# Altium PCB standard_mic.PcbDoc (part 2 of 2)
Units mm, origin at the board's own origin, x right, y up, seen from the top; angles counter-clockwise.
Board outline 92.91 x 46.68 mm, 4 copper layers (Component Side, Signal Layer 1, Signal Layer 2, Solder Side), stack 0.846 mm thick; 118 components, 86 nets, 376 pads, 431 vias.
Unrouted connection lines stored in the file: 2.
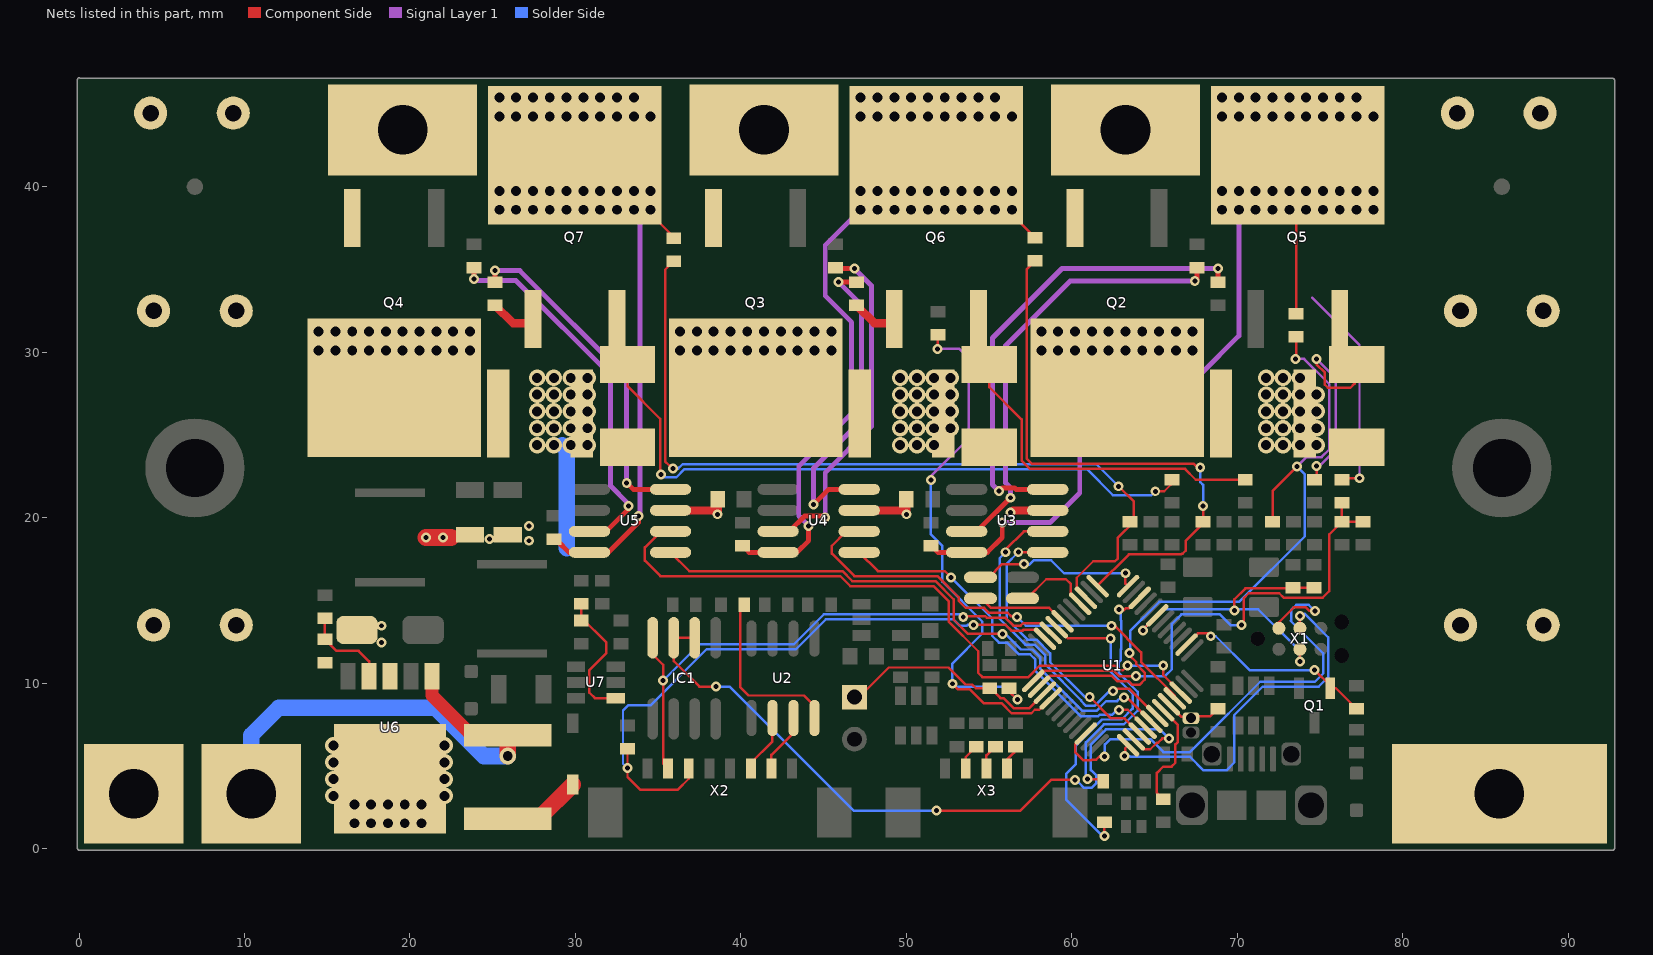
[diagram p4: the nets of this part, all layers, seen from the top]

## Via types
v1: diameter 1, hole 0.6, Component Side to Solder Side, 195 vias
v2: diameter 0.6, hole 0.3, Component Side to Solder Side, tented both sides, 175 vias
v3: diameter 1, hole 0.6, Component Side to Solder Side, tented both sides, 59 vias
v4: diameter 0.6, hole 0.3, Component Side to Solder Side, 2 vias

## Nets (pads, with @x,y where several pads share a name; then routed paths per layer and width w, separated by ;. In a path a pad name is that pad's centre, name@x,y a point inside that pad or via, vN(x,y) a via of type N, cw(c..) or ccw(c..) an arc to the next point about the centre after c; other vN are vias at no path point) (continued)
NetQ5_3: Q5.3 R23.2 R31.2 | length 14.2
  Component Side w0.15: R23.2@74.676,22.29 74.803,22.417 v2(74.803,23.114) ; v2@74.93,29.464 v2(74.803,29.591) 74.803,29.261 75.3,28.764 75.3,28.029 75.478,27.85 76.85,27.85 77.1,28.1 R31.2@77.1,28.637 ; R31.2@77.038,28.575 R31.2@77.1,28.637 ; R31.2@77.216,29.749 77.267,29.698 77.267,28.804 R31.2@77.1,28.637
  Signal Layer 1 w0.15: v2(74.803,23.114) 74.983,23.114 75.946,24.077 75.946,28.448 v2(74.803,29.591)
NetQ6_1: Q6.1 R19.2 | length 2.7
  Component Side w0.5: R19.2@46.99,32.828 48.068,31.75 Q6.1@49.276,31.75
NetQ6_3: Q6.3 R26.2 R33.2 | length 21.1
  Component Side w0.15: R33.2@55.016,29.749 55.016,27.884 56.968,25.932 56.968,23.443 57.47,22.941 66.848,22.941 67.499,22.29 R26.2@70.485,22.29
NetQ7_1: Q7.1 R20.2 | length 2.7
  Component Side w0.5: R20.2@25.146,32.828 26.224,31.75 Q7.1@27.432,31.75
NetQ7_3: Q7.3 R29.2 R35.2 | length 40.4
  Component Side w0.15: R35.2@33.147,29.749 33.147,27.953 35.124,25.976 35.124,22.661 v2(35.179,22.606) ; v2(65.049,21.59) 65.594,21.59 R29.2@66.294,22.29
  Solder Side w0.15: v2(35.179,22.606) 35.348,22.437 36.108,22.437 36.596,22.925 60.915,22.925 62.487,21.353 64.812,21.353 v2(65.049,21.59)
NetR1_2: R1.2 U1.10 | length 15.5
  Component Side w0.15: v2(60.96,4.191) 61.784,4.191 R1.2@61.911,4.064 ; v2(62.865,14.453) 63.084,14.453 63.141,14.395 63.275,14.528 63.488,14.528 U1.10@64.11,15.15
  Solder Side w0.15: v2(60.96,4.191) 60.856,4.295 60.856,6.407 61.945,7.496 63.145,7.496 63.977,8.327 63.977,9.474 62.848,10.602 62.848,11.266 62.975,11.393 62.975,12.028 62.992,12.045 62.992,13.761 62.967,13.786 62.967,14.221 62.968,14.222 62.865,14.326 v2(62.865,14.453)
NetR2_2: R2.2 U1.20 | length 20.2
  Component Side w0.15: U1.20@59.09,13.382 59.772,12.7 v2(62.357,12.7) ; v2(61.976,0.762) R2.2@61.976,1.586
  Solder Side w0.15: v2(61.976,0.762) 61.849,0.762 59.673,2.938 59.673,4.53 60.252,5.109 60.252,6.228 61.82,7.796 63.021,7.796 63.677,8.451 63.677,9.349 62.357,10.669 v2(62.357,12.7)
NetR3_2: R3.2 U1.43 | length 6.7
  Component Side w0.15: U1.43@65.525,8.362 66.413,7.474 66.413,6.437 66.269,6.293 66.269,5.182 66.04,4.953 65.532,4.953 65.151,4.572 65.151,3.367 R3.2@65.532,2.986
NetR7_2: pad.1@67.208,7.874 R7.2 U1.44 | length 3.5
  Component Side w0.15: U1.44@65.878,8.716 66.64,7.954 pad.1@67.208,7.874 67.309,8 67.31,8.001 68.388,8.001 R7.2@68.834,8.447
NetR8_2: R8.2 X3.2 | length 1.5
  Component Side w0.15: X3.2@56.094,4.826 56.094,5.37 56.515,5.791 R8.2@56.515,6.158
NetR10_2: R10.2 X3.3 | length 1.7
  Component Side w0.15: X3.3@54.844,4.826 54.844,5.63 55.372,6.158 R10.2@55.454,6.076
NetR13_2: R13.2 X3.4 | length 1.8
  Component Side w0.15: X3.4@53.594,4.826 53.594,5.523 R13.2@54.229,6.158 ; R13.2@54.02,5.974 R13.2@54.02,6.141
NetR15_1: R15.1 U3.3 | length 26.7
  Component Side w0.3: U3.3@53.65,19.165 54.265,19.165 v2(56.3,21.2) ; v2(67.437,34.29) 67.564,34.417 R15.1@67.564,35.114
  Signal Layer 1 w0.3: v2(56.3,21.2) 56.3,21.805 56.007,22.098 56.007,30.404 59.893,34.29 v2(67.437,34.29)
NetR16_1: R16.1 U4.3 | length 21.1
  Component Side w0.3: U4.3@42.25,19.165 42.916,19.165 43.851,20.1 45,20.1 v2(45.1,20) ; R16.1@45.72,35.114 45.782,35.052 v2(46.863,35.052)
  Signal Layer 1 w0.3: v2(45.1,20) 45.1,22.718 47.9,25.518 47.9,34.015 v2(46.863,35.052)
NetR17_1: R17.1 U5.3 | length 22.8
  Component Side w0.3: v2(23.876,34.417) R17.1@23.876,35.114 ; U5.3@30.85,19.165 31.865,19.165 33.2,20.5 v2(33.2,20.7)
  Signal Layer 1 w0.3: v2(23.876,34.417) 23.968,34.325 26.406,34.325 32.131,28.6 32.131,21.91 33.2,20.841 v2(33.2,20.7)
NetR18_1: R18.1 U3.8 | length 28.7
  Component Side w0.3: v2(55.6,21.6) 55.8,21.8 56.548,21.8 56.643,21.705 U3.8@58.55,21.705 ; R18.1@68.834,34.228 v2(68.834,35.052)
  Signal Layer 1 w0.3: v2@55.6,21.584 v2(55.6,21.6) 55.21,21.99 55.21,30.851 59.411,35.052 v2(68.834,35.052)
NetR19_1: R19.1 U4.8 | length 19.4
  Component Side w0.3: v2(44.4,20.8) 45.305,21.705 U4.8@47.15,21.705 ; v2(45.912,34.228) R19.1@46.99,34.228
  Signal Layer 1 w0.3: v2(44.4,20.8) 44.4,23 47.3,25.9 47.3,32.84 v2(45.912,34.228)
NetR20_1: R20.1 U5.8 | length 20.5
  Component Side w0.3: R20.1@25.146,34.228 v2(25.146,34.925) ; v2(33.1,22.1) 33.495,21.705 U5.8@35.75,21.705
  Signal Layer 1 w0.3: v2(25.146,34.925) 26.645,34.925 33.1,28.47 v2(33.1,22.1)
NetR37_1: R37.1 R40.2 U6.4 | length 5.4
  Component Side w0.15: R37.1@14.859,13.905 R40.2@14.859,12.638 15.559,11.938 16.891,11.938 17.526,11.303 U6.4@17.526,10.414
NetR38_1: R38.1 R41.2 U7.4 | length 8.4
  Component Side w0.15: R41.2@30.353,13.781 R41.2@30.353,13.97 ; R38.1@30.353,14.794 R41.2@30.353,13.97 ; U7.4@32.442,9.083 31.176,9.083 30.844,9.415 30.844,10.778 31.877,11.811 31.877,12.446 R41.2@30.353,13.97
NetR42_2: R42.2 U2.8 | length 10.8
  Component Side w0.15: R42.2@40.197,14.732 39.954,14.489 39.954,9.754 40.462,9.246 43.815,9.246 44.45,8.611 U2.8@44.45,7.887
NetTP1_1: TP1.1 U1.19 | length 5.5
  Component Side w0.15: TP1.1@54.483,15.113 54.55,15.113 55.125,14.538 58.641,14.538 U1.19@59.443,13.736
NetTP2_1: TP2.1 U1.12 | length 10.6
  Component Side w0.15: TP2.1@54.483,16.383 54.991,16.383 55.794,17.186 v2(57.109,17.186) ; v2(63.246,16.637) 63.246,16.015 U1.12@63.403,15.857
  Solder Side w0.15: v2@56.986,17.382 57.223,17.145 57.421,17.145 57.692,17.416 58.764,17.416 59.543,16.637 v2(63.246,16.637)
NetTP4_1: TP4.1 U1.16 | length 4.9
  Component Side w0.15: TP4.1@57.023,15.113 57.297,15.113 58.457,16.273 59.653,16.273 59.952,15.974 59.952,15.836 59.952,15.348 U1.16@60.504,14.797
NetU2_6: U2.6 X2.3 | length 3.6
  Component Side w0.15: X2.3@40.6,4.826 40.6,5.167 41.91,6.477 U2.6@41.91,7.887
NetU2_7: U2.7 X2.2 | length 3.6
  Component Side w0.15: X2.2@41.85,4.826 41.85,5.655 43.18,6.985 U2.7@43.18,7.887
NRST: C7.2 R5.1 U1.7 X1.3 | length 20.6
  Component Side w0.15: v2(64.313,13.183) 64.313,13.181 64.16,13.028 64.135,13.054 U1.7@65.171,14.09 ; v2(69.833,14.374) 69.833,15.064 70.492,15.724 73.34,15.724 R5.1@73.381,15.683 ; R5.1@73.381,15.759 C7.2@74.651,15.759 ; v2(73.787,11.303) X1.3@73.787,12.04 X1.3@73.787,12.319
  Solder Side w0.15: v2(64.313,13.183) 64.237,13.183 65.507,14.453 v2@70.015,14.453 ; v2(69.833,14.374) 69.937,14.374 v2@70.015,14.453 ; v2(73.787,11.303) 73.787,11.938 71.272,14.453 v2@70.015,14.453
PGND: C9.1 C10.1 C18.1 C19.1 C20.1 C24.2 C25.2 C26.1 C28.1 C31.1 D9.1 Designator1.1 Designator1_1.1 Designator2.1 Designator3.1 Designator3_1.1 pad.1@85.852,3.302 R31.1 R33.1 R35.1 R40.1 U3.7 U4.7 U5.7 U6.3 U6.6 | length 22.6
  Component Side w0.5: U5.7@35.75,20.435 38.365,20.435 v2(38.6,20.2) C9.1@38.6,21.1 ; U4.7@47.15,20.435 49.765,20.435 v2(50,20.2) C10.1@50,21.1 ; v2(56.3,20.3) 56.435,20.435 U3.7@58.55,20.435
  Component Side w1: v2(20.955,18.796) 22.479,18.796 ; C18.1@25.908,1.793 27.773,1.793 Designator2.1@29.845,3.865
  Solder Side w1: 29.21,24.384 29.464,24.13 29.464,18.161
  other v1: 16.637,1.524 17.653,1.524 18.669,1.524 19.685,1.524 20.701,1.524 16.637,2.667 17.653,2.667 18.669,2.667 19.685,2.667 20.701,2.667 15.367,3.175 22.098,3.175 15.367,4.191 22.098,4.191 15.367,5.207 22.098,5.207 15.367,6.223 22.098,6.223
  other v2: 18.288,12.446 18.288,13.462 27.2,18.6 24.8,18.7 22,18.796 27.2,19.5
  other v3: 27.686,24.384 28.702,24.384 29.718,24.384 30.734,24.384 49.632,24.384 50.648,24.384 51.664,24.384 71.755,24.384 72.771,24.384 73.787,24.384 74.803,24.384 27.686,25.4 28.702,25.4 29.718,25.4 30.734,25.4 49.632,25.4 50.648,25.4 51.664,25.4 52.68,25.4 71.755,25.4 72.771,25.4 73.787,25.4 74.803,25.4 27.686,26.416 28.702,26.416 29.718,26.416 30.734,26.416 49.632,26.416 50.648,26.416 51.664,26.416 52.68,26.416 71.755,26.416 72.771,26.416 73.787,26.416 74.803,26.416 27.686,27.432 28.702,27.432 29.718,27.432 30.734,27.432 49.632,27.432 50.648,27.432 51.664,27.432 52.68,27.432 71.755,27.432 72.771,27.432 73.787,27.432 74.803,27.432 27.686,28.448 28.702,28.448 29.718,28.448 30.734,28.448 49.632,28.448 50.648,28.448 51.664,28.448 52.68,28.448 71.755,28.448 72.771,28.448 73.787,28.448
PHASE1: C11.2 pad.1@63.246,43.434 Q2.3 Q5.4 R21.2 U3.4 | length 44.2
  Component Side w0.15: R21.2@73.558,32.323 73.558,41.898 Q5.4@73.66,42
  Component Side w0.3: C11.2@51.5,18.3 51.905,17.895 U3.4@53.65,17.895 54.895,17.895 55.8,18.8 v2(55.8,19.7)
  Signal Layer 1 w0.3: v2(55.8,19.7) 58.7,19.7 60.485,21.485 60.485,25.052 64.135,28.702 67.818,28.702 70.104,30.988 v1(70.104,38.608)
  other v1: 69.088,38.608 71.12,38.608 72.136,38.608 73.152,38.608 74.168,38.608 75.184,38.608 76.2,38.608 77.216,38.608 78.232,38.608 69.088,39.751 70.104,39.751 71.12,39.751 72.136,39.751 73.152,39.751 74.168,39.751 75.184,39.751 76.2,39.751 77.216,39.751 78.232,39.751 69.088,44.249 70.104,44.249 71.12,44.249 72.136,44.249 73.152,44.249 74.168,44.249 75.184,44.249 76.2,44.249 77.216,44.249 78.232,44.249 69.088,45.392 70.104,45.392 71.12,45.392 72.136,45.392 73.152,45.392 74.168,45.392 75.184,45.392 76.2,45.392 77.216,45.392
PHASE2: C12.2 pad.1@41.402,43.434 Q3.3 Q6.4 R24.2 U4.4 | length 35.7
  Component Side w0.15: Q6.4@51.816,42 52.705,42 R24.2@57.785,36.92
  Component Side w0.3: C12.2@40.1,18.3 40.505,17.895 U4.4@42.25,17.895 43.395,17.895 44.1,18.6 v4(44.1,19.5)
  Signal Layer 1 w0.3: v4(44.1,19.5) 43.5,20.1 43.5,23.1 46.7,26.3 46.7,31.8 45.1,33.4 45.1,36.464 v1(47.244,38.608)
  other v1: 48.26,38.608 49.276,38.608 50.292,38.608 51.308,38.608 52.324,38.608 53.34,38.608 54.356,38.608 55.372,38.608 56.388,38.608 47.244,39.751 48.26,39.751 49.276,39.751 50.292,39.751 51.308,39.751 52.324,39.751 53.34,39.751 54.356,39.751 55.372,39.751 56.388,39.751 47.244,44.249 48.26,44.249 49.276,44.249 50.292,44.249 51.308,44.249 52.324,44.249 53.34,44.249 54.356,44.249 55.372,44.249 56.388,44.249 47.244,45.392 48.26,45.392 49.276,45.392 50.292,45.392 51.308,45.392 52.324,45.392 53.34,45.392 54.356,45.392 55.372,45.392
PHASE3: C13.2 pad.1@19.558,43.434 Q4.3 Q7.4 R27.2 U5.4 | length 33.1
  Component Side w0.15: Q7.4@29.972,42 30.898,42 35.941,36.957 R27.2@35.941,36.895
  Component Side w0.3: C13.2@28.95,18.55 29.605,17.895 U5.4@30.85,17.895 31.995,17.895 33.8,19.7 v2(33.8,20.1)
  Signal Layer 1 w0.3: v1(33.528,38.608) 33.9,38.236 33.9,20.2 v2(33.8,20.1)
  other v1: 25.4,38.608 26.416,38.608 27.432,38.608 28.448,38.608 29.464,38.608 30.48,38.608 31.496,38.608 32.512,38.608 34.544,38.608 25.4,39.751 26.416,39.751 27.432,39.751 28.448,39.751 29.464,39.751 30.48,39.751 31.496,39.751 32.512,39.751 33.528,39.751 34.544,39.751 25.4,44.249 26.416,44.249 27.432,44.249 28.448,44.249 29.464,44.249 30.48,44.249 31.496,44.249 32.512,44.249 33.528,44.249 34.544,44.249 25.4,45.392 26.416,45.392 27.432,45.392 28.448,45.392 29.464,45.392 30.48,45.392 31.496,45.392 32.512,45.392 33.528,45.392
PWMH1: U1.39 U3.5 | length 17.3
  Component Side w0.15: v2(56.769,17.907) 58.538,17.907 U3.5@58.55,17.895 ; v2(61.087,9.144) 62.374,7.857 63.201,7.857 U1.39@64.11,6.948
  Solder Side w0.15: v2(56.769,17.907) 56.058,17.196 56.058,13.888 57.319,12.626 57.867,12.626 58.702,11.792 58.702,11.244 60.802,9.144 v2(61.087,9.144)
PWMH2: U1.40 U4.5 | length 23.2
  Component Side w0.15: U4.5@47.15,17.895 48.281,16.764 52.324,16.764 v2(52.705,16.383) ; v2(62.865,8.382) 63.383,8.382 U1.40@64.464,7.301
  Solder Side w0.15: v2(52.705,16.383) 55.194,13.894 55.194,12.842 55.597,12.44 56.097,12.44 56.81,11.726 57.494,11.726 57.802,11.419 57.802,10.735 60.536,8.001 61.601,8.001 61.696,8.096 62.462,8.096 62.865,8.499 v2(62.865,8.382)
PWMH3: U1.41 U5.5 | length 35.1
  Component Side w0.15: U5.5@35.75,17.895 36.881,16.764 46.134,16.764 46.734,16.164 51.757,16.164 52.871,15.051 52.871,13.824 53.73,12.965 v2(55.814,12.965) ; v2(63.152,9.132) 63.34,9.132 U1.41@64.817,7.655
  Solder Side w0.15: v2(55.814,12.965) 55.996,12.965 56.935,12.026 57.619,12.026 58.102,11.543 58.102,10.859 60.642,8.319 61.495,8.319 62.083,8.907 62.738,8.907 62.963,9.132 v2(63.152,9.132)
PWML1: U1.42 U3.6 | length 20.5
  Component Side w0.15: v2(56.007,17.907) 56.007,18.059 57.113,19.165 U3.6@58.55,19.165 ; v2(62.484,9.525) 62.616,9.657 63.471,9.657 65.12,8.008 U1.42@65.171,8.008
  Solder Side w0.15: v2(56.007,17.907) 55.651,17.551 55.651,13.87 57.195,12.326 57.743,12.326 58.402,11.667 58.402,11.119 60.562,8.959 60.562,8.927 60.87,8.619 61.371,8.619 62.277,9.525 v2(62.484,9.525)
PWML2: U1.45 U4.6 | length 27.5
  Component Side w0.15: U4.6@47.15,19.165 46.365,19.165 45.5,18.3 45.5,17.822 46.858,16.464 51.882,16.464 53.171,15.175 53.171,14.962 53.595,14.538 54.701,14.538 55.001,14.238 56.132,14.238 56.321,14.049 56.693,14.049 v2(56.693,13.995) ; v2(62.408,13.462) 62.408,13.482 62.49,13.564 64.198,11.855 64.198,11.264 66.232,9.23 U1.45@66.232,9.069
  Solder Side w0.15: v2(56.693,13.995) 57.226,13.462 v2(62.408,13.462)
PWML3: U1.46 U5.6 | length 41.1
  Component Side w0.15: U5.6@35.75,19.165 35.165,19.165 34.2,18.2 34.2,17.4 35.136,16.464 46.01,16.464 46.61,15.864 51.633,15.864 52.571,14.926 52.571,13.7 54.351,11.919 54.351,11.522 54.354,11.519 54.341,11.506 54.341,10.62 54.598,10.363 57.379,10.363 58.065,11.049 62.654,11.049 62.934,10.77 63.094,10.77 v2(63.373,11.049) ; v2(65.532,11.049) 65.532,10.476 U1.46@66.585,9.423
  Solder Side w0.15: v2(63.373,11.049) v2(65.532,11.049)
RS485_DE: IC1.2 IC1.3 U1.38 | length 43.5
  Component Side w0.15: IC1.2@37.211,12.737 IC1.3@35.941,12.737 35.941,11.328 37.49,9.779 v2(38.506,9.779) ; v4(51.816,2.286) 56.896,2.286 58.75,4.14 v2(60.198,4.14) ; U1.38@63.757,6.594 64.357,5.994 64.748,5.994 65.144,6.39 65.216,6.39 65.481,6.655 v2(65.888,6.655)
  Solder Side w0.15: v2(38.506,9.779) 39.319,9.779 46.812,2.286 v4(51.816,2.286) ; v2(60.198,4.14) 60.259,4.14 60.435,3.964 60.435,3.974 60.743,3.666 61.189,3.666 61.485,3.962 61.485,4.408 61.156,4.738 61.156,6.283 62.069,7.196 65.347,7.196 v2(65.888,6.655)
RS485_RX: R6.1 U1.22 X2.6 | length 38.6
  Component Side w0.15: R6.1@33.147,6.031 33.147,4.318 33.909,3.556 36.195,3.556 36.85,4.211 X2.6@36.85,4.826 ; v2(54.051,13.513) 56.009,13.513 56.351,13.17 57.035,13.17 57.091,13.227 57.831,13.227 U1.22@58.383,12.675
  Solder Side w0.15: v2(33.147,4.851) 32.876,5.122 32.876,8.345 33.184,8.653 34.541,8.653 37.933,12.044 43.33,12.044 45.128,13.843 52.852,13.843 53.224,13.47 53.659,13.47 53.701,13.513 v2(54.051,13.513)
RS485_TX: IC1.4 U1.21 X2.7 | length 34.2
  Component Side w0.15: IC1.4@34.671,12.737 34.671,11.735 35.306,11.1 v2(35.306,10.16) 35.306,5.12 X2.7@35.6,4.826 ; v2(53.442,13.995) 53.484,14.038 54.777,14.038 54.876,13.938 56.008,13.938 56.475,13.47 56.91,13.47 57.054,13.614 58.151,13.614 U1.21@58.736,13.029
  Solder Side w0.15: v2(35.306,10.16) 37.49,12.344 43.205,12.344 45.017,14.156 53.535,14.156 53.442,14.063 v2(53.442,13.995)
SWCLK: U1.37 X1.4 | length 22.7
  Component Side w0.15: v2(63.195,5.588) 63.233,5.588 63.233,6.071 U1.37@63.403,6.241 ; X1.4@73.787,13.589 v2(73.787,14.046)
  Solder Side w0.15: v2(63.195,5.588) 63.485,5.588 63.543,5.53 67.165,5.53 67.97,4.724 69.35,4.724 69.825,5.199 69.825,8.058 71.546,9.779 74.93,9.779 75.501,10.35 75.501,12.764 74.066,14.199 73.914,14.046 v2(73.787,14.046)
SWDIO: U1.34 X1.2 | length 29.3
  Component Side w0.15: U1.34@60.858,6.948 60.198,6.288 60.198,5.822 60.685,5.335 61.19,5.335 61.217,5.363 61.471,5.363 61.696,5.588 61.72,5.564 v2(61.981,5.564) ; X1.2@72.517,13.31 72.517,13.671 73.417,14.571 74.157,14.571 74.352,14.376 74.701,14.376 v2(74.701,14.351)
  Solder Side w0.15: v2(61.981,5.564) 61.954,5.537 61.95,5.537 62.01,5.597 62.01,6.288 62.317,6.596 64.78,6.596 65.546,5.83 67.145,5.83 67.641,6.325 71.395,10.079 74.702,10.079 75.201,10.578 75.201,11.794 73.241,13.754 73.262,13.775 73.262,14.416 73.406,14.56 73.406,14.58 73.426,14.58 73.57,14.724 74.329,14.724 v2(74.701,14.351)
TMP_M: NTC.1@46.863,9.144 R4.1 U1.27 | length 13.3
  Component Side w0.15: NTC.1@47.244,9.246 48.937,10.939 52.561,10.939 53.589,9.911 53.975,9.911 54.197,9.689 R4.1@55.042,9.689 55.092,9.689 55.692,9.088 55.879,9.088 56.501,8.467 57.427,8.467 U1.27@58.383,9.423
TMP_PCB: NTC.1@51.918,31.05 R43.1 U1.28 | length 38
  Component Side w0.15: v2(51.892,30.201) 51.892,31.025 NTC.1@51.918,31.05 ; v2(52.781,9.957) 53.127,9.611 53.851,9.611 54.673,8.788 55.755,8.788 56.376,8.167 57.551,8.167 57.766,8.382 58.049,8.382 U1.28@58.736,9.069 ; R43.1@56.21,9.689 56.21,9.5 v2(56.718,8.992)
  Signal Layer 1 w0.15: v2(51.486,22.276) 51.486,22.504 53.772,24.79 53.772,29.637 53.208,30.201 v2(51.892,30.201)
  Solder Side w0.15: v2(51.486,22.276) 51.486,18.98 52.18,18.285 52.18,16.126 54.59,13.716 54.59,12.985 52.781,11.176 v2(52.781,9.957) 52.959,9.779 55.931,9.779 v2(56.718,8.992)
USB_RELEASE: Q1.1 R9.1 U1.2 | length 12.6
  Component Side w0.15: U1.2@66.939,12.322 67.622,13.005 68.224,13.005 v2(68.402,12.827) ; v2(74.676,10.795) 75.626,9.845 Q1.1@75.626,9.686 75.974,9.686 R9.1@77.216,8.444
  Solder Side w0.15: v2(68.402,12.827) 68.707,12.827 70.756,10.778 74.659,10.778 v2(74.676,10.795)
VSENS1: R21.1 R30.2 U1.26 | length 42.4
  Component Side w0.15: U1.26@58.029,9.776 58.702,10.449 62.406,10.449 62.741,10.114 63.439,10.114 63.664,9.889 64.098,9.889 64.406,10.197 64.406,10.631 63.898,11.139 63.898,11.266 63.5,11.664 v2(63.5,11.811) ; R30.2@72.136,19.75 72.136,21.615 v2(73.609,23.089) ; v2(73.533,29.591) 73.558,29.616 R21.1@73.558,30.923
  Signal Layer 1 w0.15: v2(73.533,29.591) 74.041,29.591 75.565,28.067 75.565,24.121 75.103,23.659 74.18,23.659 v2(73.609,23.089)
  Solder Side w0.15: v2(63.5,11.811) 63.5,11.638 63.528,11.61 63.528,13.14 65.287,14.899 70.119,14.899 74.092,18.872 74.092,22.606 v2(73.609,23.089)
VSENS2: R24.1 R32.2 U1.13 | length 34.9
  Component Side w0.15: R24.1@57.785,35.52 57.268,35.003 57.268,23.567 57.594,23.241 67.386,23.241 67.767,22.86 v2(67.767,23.038) ; U1.13@61.565,15.857 61.565,15.888 63.451,17.775 66.609,17.775 66.657,17.824 66.708,17.824 66.878,17.994 66.878,18.58 67.945,19.646 R32.2@67.945,19.75 v2(67.945,20.701)
  Solder Side w0.15: v2(67.767,23.038) 67.767,22.149 67.945,21.971 v2(67.945,20.701)
VSENS3: R27.1 R34.2 U1.15 | length 50.2
  Component Side w0.15: v2(35.89,22.962) 35.687,23.165 35.662,23.165 35.424,23.402 35.424,34.978 R27.1@35.941,35.495 ; U1.15@60.858,15.15 60.306,15.702 60.306,16.364 61.301,17.359 62.611,17.359 62.789,17.537 62.789,18.785 63.754,19.75 63.754,20.961 v2(62.822,21.893)
  Solder Side w0.15: v2@35.89,22.86 v2(35.89,22.962) 36.208,22.962 36.472,23.225 61.49,23.225 v2(62.822,21.893)
VSENSBUS: C22.2 R36.1 R39.2 U1.25 | length 30.6
  Component Side w0.15: U1.25@57.676,10.13 57.779,10.13 58.295,10.645 58.295,10.749 62.53,10.749 62.865,10.414 v2(63.881,10.414) ; v2(70.256,13.513) 70.256,13.614 70.383,13.741 70.383,15.109 70.698,15.424 72.544,15.424 72.804,15.164 75.173,15.164 75.565,15.555 75.565,18.988 R39.2@76.327,19.75 ; R36.1@76.327,20.89 R39.2@76.327,19.75 ; C22.2@77.597,19.75 R39.2@76.327,19.75
  Solder Side w0.15: v2(63.881,10.414) 65.639,10.414 66.057,10.832 66.057,13.581 66.629,14.153 68.956,14.153 69.621,13.487 v2@70.256,13.487
VSPLY: C18.2 C24.1 C25.1 C26.2 C28.2 C31.2 Designator1.2 Designator1_1.2 Designator3.2 Designator3_1.2 pad.1@3.3,3.3 pad.1@10.4,3.3 Q2.4 Q3.4 Q4.4 R36.2 U6.1 | length 42.2
  Component Side w0.15: R36.2@76.327,22.29 76.327,22.377 v2(77.394,22.377)
  Component Side w0.8: U6.1@21.336,10.414 21.336,9.246 C18.2@23.739,6.843
  Component Side w1: C18.2@23.739,6.843 C18.2@25.908,6.843 v3(25.908,5.588)
  Signal Layer 1 w0.15: 74.524,33.299 77.394,30.429 v2(77.394,22.377)
  Solder Side w1: pad.1@10.4,3.3 10.4,6.844 12.065,8.509 21.539,8.509 24.46,5.588 v3(25.908,5.588)
  other v1: 14.478,30.099 15.494,30.099 16.51,30.099 17.526,30.099 18.542,30.099 19.558,30.099 20.574,30.099 21.59,30.099 22.606,30.099 23.622,30.099 36.322,30.099 37.338,30.099 38.354,30.099 39.37,30.099 40.386,30.099 41.402,30.099 42.418,30.099 43.434,30.099 44.45,30.099 45.466,30.099 58.166,30.099 59.182,30.099 60.198,30.099 61.214,30.099 62.23,30.099 63.246,30.099 64.262,30.099 65.278,30.099 66.294,30.099 67.31,30.099 14.478,31.242 15.494,31.242 16.51,31.242 17.526,31.242 18.542,31.242 19.558,31.242 20.574,31.242 21.59,31.242 22.606,31.242 23.622,31.242 36.322,31.242 37.338,31.242 38.354,31.242 39.37,31.242 40.386,31.242 41.402,31.242 42.418,31.242 43.434,31.242 44.45,31.242 45.466,31.242 58.166,31.242 59.182,31.242 60.198,31.242 61.214,31.242 62.23,31.242 63.246,31.242 64.262,31.242 65.278,31.242 66.294,31.242 67.31,31.242
pads on no net: Designator5. Designator6. IC2.6 J1.0 J1.4 U1.4 U6.5 U7.3 U8.4 X1.6 X1.A X1.B X1.C X2.0 X3.0

## Polygon pours and split planes (outlines as drawn)
GND on Component Side "Component Side-No Net 1" (solid, remove dead copper, pour order 60): 47.625,-0.127 47.625,15.088 49.454,16.916 54.864,16.916 60.655,22.708 76.86,22.708 78.257,21.311 78.257,-0.076
PGND on Component Side "Component Side-No Net 1" (solid, pour order 56): 19.304,10.414 19.304,13.335 18.288,14.351 16.129,14.351 15.621,13.843 15.621,12.7 16.002,12.319 17.272,12.319 18.288,11.303
GND on Component Side "Component Side-No Net 2" (solid, pour order 78): 26.238,8.763 25.527,8.052 23.571,8.052 23.241,8.382 23.241,9.271 24.486,10.516 25.984,10.516 26.238,10.262
VSPLY on Component Side "Component Side-No Net" (solid, pour order 0): 0.381,5.334 0.381,45.974 0.508,46.101 11.938,46.101 13.335,44.704 13.335,32.512 14.732,31.115 14.732,24.511 13.335,23.114 13.335,13.235 6.323,6.223
PHASE1 on Component Side "Component Side-No Net" (solid, pour order 2): 67.691,46.228 78.867,46.228 78.867,37.719 68.453,37.719 66.929,39.243 66.929,40.005 66.294,40.64 62.23,40.64 61.595,40.005 61.595,36.195 60.96,35.56 59.436,35.56 58.674,36.322 58.674,46.101 58.801,46.228 67.818,46.228
PHASE2 on Component Side "Component Side-No Net" (solid, pour order 4): 45.847,46.228 57.023,46.228 57.023,37.719 46.609,37.719 45.085,39.243 45.085,40.005 44.45,40.64 40.386,40.64 39.751,40.005 39.751,36.195 39.116,35.56 37.592,35.56 36.83,36.322 36.83,46.101 36.957,46.228 45.974,46.228
PHASE3 on Component Side "Component Side-No Net" (solid, pour order 6): 24.003,46.228 35.179,46.228 35.179,37.719 24.765,37.719 23.241,39.243 23.241,40.005 22.606,40.64 18.542,40.64 17.907,40.005 17.907,36.195 17.272,35.56 15.748,35.56 14.986,36.322 14.986,46.101 15.113,46.228 24.13,46.228
VSPLY on Component Side "Component Side-No Net" (solid, pour order 8): 26.797,28.956 26.797,23.876 26.543,23.622 24.257,23.622 23.876,24.003 23.876,30.607 25.273,29.21 26.543,29.21
VSPLY on Component Side "Component Side-No Net" (solid, pour order 10): 48.641,28.956 48.641,23.876 48.387,23.622 46.101,23.622 45.72,24.003 45.72,30.607 47.117,29.21 48.387,29.21
VSPLY on Component Side "Component Side-No Net" (solid, pour order 12): 70.485,28.956 70.485,23.876 70.231,23.622 67.945,23.622 67.564,24.003 67.564,30.607 68.961,29.21 70.231,29.21
NetD9_2 on Component Side "Component Side-No Net 1" (solid, pour order 44): 19.558,9.652 19.685,9.525 20.447,9.525 20.574,9.652 20.574,11.684 21.082,12.192 21.844,12.192 22.225,12.573 22.225,17.667 22.096,17.796 20.81,16.51 17.41,16.51 16.396,15.496 17.16,14.732 18.288,14.732 19.558,13.462
12V on Component Side "Component Side-No Net 1" (solid, remove dead copper, pour order 46): 20.829,22.096 26.672,22.096 26.924,21.844 26.924,20.955 25.765,19.796 21.729,19.796
PGND on Component Side "Component Side-No Net 1" (solid, pour order 52): 14.351,11.43 14.605,11.684 15.367,11.684 15.621,11.43 15.621,9.652 15.875,9.398 16.129,9.398 18.288,9.398 18.288,11.303 18.415,11.43 19.177,11.43 19.304,11.303 19.304,9.652 19.558,9.398 20.828,9.398 22.733,7.493 22.733,4.699 24.13,3.302 28.321,3.302 28.956,2.667 28.956,0.762 28.829,0.635 14.986,0.635 14.351,1.27
PGND on Component Side "Component Side-No Net 1" (solid, pour order 54): 27.334,18.034 27.696,18.396 27.701,19.699 27.3,20.1 26.577,20.1 26.162,19.685 22.352,19.685 21.971,19.304 21.971,18.415 22.352,18.034
NetQ7_3 on Component Side "Top Layer-No Net" (solid, pour order 80): 31.242,29.337 32.479,28.1 34.8,28.1 34.925,28.225 34.925,32.131 33.147,33.909 31.623,33.909 31.242,33.528
PGND on Component Side "Top Layer-No Net" (solid, pour order 82): 27.051,28.956 27.305,29.21 30.988,29.21 34.925,25.273 34.925,23.241 34.671,22.987 27.432,22.987 27.051,23.368
NetQ5_3 on Component Side "Top Layer-No Net" (solid, pour order 86): 75.311,29.337 75.692,28.956 78.74,28.956 78.994,29.21 78.994,32.131 77.216,33.909 75.692,33.909 75.311,33.528
PGND on Component Side "Top Layer-No Net" (solid, pour order 88): 48.895,28.956 49.149,29.21 52.832,29.21 56.769,25.273 56.769,23.241 56.515,22.987 49.276,22.987 48.895,23.368
NetQ6_3 on Component Side "Top Layer-No Net" (solid, pour order 84): 53.111,29.337 54.348,28.1 56.7,28.1 56.794,28.194 56.794,32.131 55.016,33.909 53.492,33.909 53.111,33.528
PGND on Component Side "Component Side-No Net" (solid, pour order 30): 79.375,6.096 79.375,21.971 78.164,23.182 75.018,28.651 78.918,28.651 79.375,29.108 79.375,44.831 80.772,46.228 92.202,46.228 92.329,46.101 92.329,5.715
PGND on Component Side "Top Layer-No Net" (solid, pour order 90): 70.739,28.956 70.993,29.21 74.676,29.21 78.613,25.273 78.613,23.241 78.486,23.114 71.476,23.114 70.739,23.851
PGND on Solder Side "Component Side-No Net 1" (solid, pour order 64): 14.199,-0.076 14.199,21.565 15.748,23.114 29.947,23.114 30.683,22.377 30.632,22.327 30.632,18.364 29.845,17.577 29.82,17.602 23.089,17.602 22.454,16.967 22.454,10.693 25.146,8.001 29.058,8.001 29.743,7.315 29.743,-0.127
PGND on Solder Side "Component Side-No Net" (solid, pour order 26): 92.329,6.096 92.329,46.101 92.202,46.228 86.868,46.228 85.852,45.212 85.852,32.004 83.058,29.21 13.843,29.21 13.208,29.845 13.208,44.831 11.938,46.101 0.508,46.101 0.381,45.974 0.381,24.511 1.27,23.622 78.74,23.622 79.375,22.987 79.375,6.096
PHASE2 on Solder Side "Component Side-No Net" (solid, pour order 40): 35.306,44.831 36.576,46.101 55.626,46.101 56.896,44.831 56.896,35.052 56.261,34.417 35.814,34.417 35.306,34.925
PHASE3 on Solder Side "Component Side-No Net" (solid, pour order 36): 13.462,44.831 14.732,46.101 33.782,46.101 35.052,44.831 35.052,35.052 34.417,34.417 13.97,34.417 13.462,34.925
VSPLY on Solder Side "Component Side-No Net" (solid, pour order 28): 13.97,29.464 13.462,29.972 13.462,33.655 13.97,34.163 78.613,34.163 79.375,34.925 79.375,44.831 80.772,46.228 84.582,46.228 85.598,45.212 85.598,32.131 84.074,30.607 82.931,29.464
PHASE1 on Solder Side "Component Side-No Net" (solid, pour order 42): 57.15,44.831 58.42,46.101 77.47,46.101 78.74,44.831 78.74,35.052 78.105,34.417 57.658,34.417 57.15,34.925
VSPLY on Signal Layer 1 "Signal Layer 1-No Net" (solid, pour order 66): 6.35,6.25 13.437,13.437 13.462,23.114 13.97,23.622 78.74,23.622 79.248,23.114 79.248,0.254 92.456,0.254 92.456,45.974 92.202,46.228 0.508,46.228 0.254,45.974 0.254,0.254 6.35,0.254
3V3 on Signal Layer 1 "Component Side-No Net 1" (solid, pour order 62): 42.672,-0.102 42.672,7.315 53.797,18.44 56.058,18.44 59.944,22.377 76.937,22.377 78.232,21.082 78.232,-0.102
12V on Signal Layer 1 "Component Side-No Net 1" (solid, pour order 50): 21.717,21.817 21.717,20.066 22.479,19.304 30.226,19.304 30.988,18.542 61.214,18.542 61.722,19.05 61.722,21.971 61.145,22.606 56.134,22.606 22.506,22.606
PGND on Signal Layer 1 "Signal Layer 1-No Net" (solid, pour order 68): 13.97,0.254 13.97,21.844 14.732,22.606 20.574,22.606 21.336,21.844 21.336,19.812 22.352,18.796 24.384,18.796 24.892,18.288 24.892,11.176 29.21,6.858 29.21,0.254
GND on Signal Layer 2 "Signal Layer 2-No Net" (solid, pour order 76): 27.61,0.305 27.61,5.41 23.292,9.728 23.292,15.392 24.867,16.967 24.892,16.942 54.94,16.942 57.226,19.228 57.226,22.022 58.42,23.216 77.749,23.216 79.045,21.92 79.045,0.33 79.07,0.305
PGND on Signal Layer 2 "Signal Layer 2-No Net" (solid, pour order 74): 30.505,17.297 54.737,17.297 56.82,19.38 56.82,22.047 55.486,23.381 55.677,23.19 26.746,23.19
PGND on Signal Layer 2 "Signal Layer 2-No Net" (solid, pour order 72): 13.97,0.279 13.97,21.996 15.164,23.19 26.746,23.19 27.534,23.978 29.794,23.978 32.055,21.717 32.055,18.847 30.505,17.297 24.714,17.297 22.987,15.57 22.987,9.627 27.356,5.258 27.356,0.308
PGND on Signal Layer 2 "Signal Layer 2-No Net" (solid, pour order 70): 79.35,6.02 79.756,5.613 92.38,5.613 92.38,45.593 91.643,46.33 1.473,46.33 0.432,45.288 0.432,5.817 1.168,5.08 1.626,5.537 12.979,5.537 13.335,5.893 13.335,22.606 14.275,23.546 77.902,23.546 79.35,22.098

## Other copper
Solder Side:
  rectangle net PGND: 68.275,22.936 68.885,24.028

## Silkscreen, mask and mechanical layers (free items; w line width, h text height)
Top Overlay:
  lines w0.2: 14.224,0 14.224,21.59 15.494,22.86 77.216,22.86 78.486,21.59 78.486,0 ; 27.305,22.86 27.305,18.669 26.797,18.161 23.495,18.161 22.479,17.145 22.479,8.331 23.063,7.747 24.917,7.747 25.552,8.382 27.991,8.382 30.48,8.382 31.115,7.747 31.115,4.318 30.353,3.556 30.353,1.397 30.353,0
  text "OtterControl V1.2" at 32.766,15.748 h2.2
  text "VBAT" at 0.355,6.59 h7
  text "GND" at 79.324,6.59 h7
Bottom Overlay:
  drawing of 20279 lines, arcs and shapes, not listed
  text "W" at 24.062,36.319 h7
  text "V" at 45.906,36.319 h7
  text "U" at 67.75,36.319 h7
  text "OtterControl" at 47.041,24.206 h7
  text "Otter Edition" at 30.4,22 h3
  text "CTRL   PWR" at 13.9,9.8 h3
  text "Hardware by Niklas Fauth / Software based on stmbl / by Rene Hopf /  / V1.2 2017" at 46.304,9.22 h2.5
  text "MULTI COM" at 44.602,6.909 h3
  text "SENSOR" at 58.699,6.909 h3
  text "USB" at 73,6.909 h3
  text "VBAT" at 13.318,6.55 h7
  text "GND" at 92.312,6.55 h7
  text "3V3 / CANH / CANL / 485A / 485B / RX / TX / GND" at 32.385,0 h2.5 r270
  text "5V / PA8 / PA9 / PA10 / GND" at 50.292,0 h2.5 r270
Top Paste:
  rectangle: 72.796,5.156 73.71,6.274
  rectangle: 67.996,5.156 68.91,6.274
  rectangle: 73.85,1.626 75.094,3.581
  rectangle: 66.65,1.626 67.894,3.581
Mechanical 1:
  lines w0.2: 0,0 92.71,0 92.71,46.444 0,46.444 0,0

## Text inside footprints (layer, text, board x,y; h text height)
C24: Top Overlay "+" at 3.818,41.55 h1.5; Top Overlay "-" at 8.818,41.55 h1.5
C25: Top Overlay "+" at 82.812,41.55 h1.5; Top Overlay "-" at 87.812,41.55 h1.5